# Allegro board 8880F5-0824_updates.brd (continued)
## Routing (per net, layer and track width the routed paths; a pad name or vN(x,y) marks a point on that pad's centre or on a via; arc(x,y) is an arc through that point) (continued)
; D127.A3 17.78,54.15 ; D127.A3 16.97,53.34 ; D127.A3 18.59,53.34 ; D127.A3 17.78,52.53 ; D113.B4 340.36,328.47 ; D113.B4 341.17,327.66 ; D113.B4 340.36,326.85 ; D113.B4 339.55,327.66 ; D120.B7 175.26,38.91 ; D120.B7 175.26,37.29 ; D120.B7 174.45,38.1 ; D120.B7 176.07,38.1 ; 324.41,71.12 D302.B8 ; D302.B8 325.12,70.41 ; D302.B8 325.83,71.12 ; D302.B8 325.12,71.83 ; D431.A3 195.58,386.89 ; D431.A3 194.77,386.08 ; D431.A3 195.58,385.27 ; D431.A3 196.39,386.08 ; 39.83,55.88 D127.A12 ; D127.A12 40.64,55.07 ; D127.A12 41.45,55.88 ; D127.A12 40.64,56.69 ; 198.12,382.73 D431.A2 ; D431.A2 198.12,384.35 ; D431.A2 197.31,383.54 ; D431.A2 198.93,383.54 ; D322.B6 246.38,71.83 ; D322.B6 247.09,71.12 ; D322.B6 245.67,71.12 ; D322.B6 246.38,70.41 ; 386.08,329.39 D109.B15 ; D109.B15 386.89,330.2 ; D109.B15 386.08,331.01 ; D109.B15 385.27,330.2 ; D318.B16 198.12,71.83 ; D318.B16 197.41,71.12 ; D318.B16 198.83,71.12 ; D318.B16 198.12,70.41 ; SITE1.G8 249.33,248.41 ; SITE1.G8 249.33,247.45 ; SITE1.G8 248.85,247.93 ; SITE1.G8 249.81,247.93 ; 396.24,32.21 D108.A7 ; D108.A7 397.05,33.02 ; D108.A7 396.24,33.83 ; D108.A7 395.43,33.02 ; D127.B4 21.13,60.96 ; D127.B4 20.32,61.77 ; D127.B4 20.32,60.15 ; D127.B4 19.51,60.96 ; 182.07,383.54 D431.A8 ; D431.A8 182.88,382.73 ; D431.A8 182.88,384.35 ; D431.A8 183.69,383.54 ; 270.97,332.74 CSDPS225.B2 ; CSDPS225.B2 271.78,333.55 ; CSDPS225.B2 272.59,332.74 ; CSDPS225.B2 271.78,331.93 ; 345.44,85.65 D301.A16 ; D301.A16 346.15,86.36 ; D301.A16 345.44,87.07 ; D301.A16 344.73,86.36 ; 312.42,57.61 D103.B3 ; D103.B3 311.61,58.42 ; D103.B3 313.23,58.42 ; D103.B3 312.42,59.23 ; 403.15,91.44 D305.B10 ; D305.B10 404.57,91.44 ; D305.B10 403.86,92.15 ; D305.B10 403.86,90.73 ; D130.A3 92.25,73.66 ; D130.A3 91.44,74.47 ; D130.A3 91.44,72.85 ; 113.49,40.64 D132.B12 ; D132.B12 115.11,40.64 ; D132.B12 114.3,41.45 ; D231.B3 195.58,371.65 ; D231.B3 195.58,370.03 ; D231.B3 194.77,370.84 ; D231.B3 196.39,370.84 ; 175.26,370.03 D231.B11 ; D231.B11 176.07,370.84 ; D231.B11 175.26,371.65 ; D231.B11 174.45,370.84 ; D131.A8 104.14,56.69 ; D131.A8 104.14,55.07 ; D131.A8 104.95,55.88 ; D131.A8 103.33,55.88 ; 339.55,347.98 D114.B4 ; D114.B4 341.17,347.98 ; D114.B4 340.36,348.79 ; D114.B4 340.36,347.17 ; 266.7,331.93 CSDPS225.B4 ; CSDPS225.B4 266.7,333.55 ; CSDPS225.B4 267.51,332.74 ; CSDPS225.B4 265.89,332.74 ; D120.B8 177.8,41.45 ; D120.B8 176.99,40.64 ; D120.B8 177.8,39.83 ; D120.B8 178.61,40.64 ; 324.31,35.56 D104.A8 ; D104.A8 325.93,35.56 ; D104.A8 325.12,34.75 ; D104.A8 325.12,36.37 ; D301.A3 312.42,84.53 ; D301.A3 313.13,83.82 ; D301.A3 311.71,83.82 ; D106.A4 388.62,77.01 ; D106.A4 389.43,76.2 ; D106.A4 387.81,76.2 ; D106.A4 388.62,75.39 ; D301.B8 325.83,91.44 ; D301.B8 325.12,92.15 ; D301.B8 324.41,91.44 ; D301.B8 325.12,90.73 ; 397.97,40.64 D108.B8 ; D108.B8 398.78,39.83 ; D108.B8 398.78,41.45 ; D108.B8 399.59,40.64 ; 167.64,372.57 D231.A14 ; D231.A14 168.45,373.38 ; D231.A14 167.64,374.19 ; D231.A14 166.83,373.38 ; D302.B12 335.99,71.12 ; D302.B12 335.28,71.83 ; D302.B12 335.28,70.41 ; D302.B12 334.57,71.12 ; 337.82,329.39 D113.B5 ; D113.B5 337.01,330.2 ; D113.B5 337.82,331.01 ; D113.B5 338.63,330.2 ; D129.A10 110.03,96.52 ; D129.A10 109.22,97.33 ; D129.A10 108.41,96.52 ; D129.A10 109.22,95.71 ; D122.B13 264.97,78.74 ; D122.B13 264.16,77.93 ; D122.B13 263.35,78.74 ; D122.B13 264.16,79.55 ; 260.81,81.28 D122.B12 ; D122.B12 262.43,81.28 ; D122.B12 261.62,80.47 ; D122.B12 261.62,82.09 ; CSDPS229.B16 163.37,332.74 ; CSDPS229.B16 161.75,332.74 ; CSDPS229.B16 162.56,331.93 ; CSDPS229.B16 162.56,333.55 ; D318.A15 196.29,63.5 ; D318.A15 195.58,62.79 ; D318.A15 195.58,64.21 ; D318.A15 194.87,63.5 ; 332.03,63.5 D302.A11 ; D302.A11 332.74,62.79 ; D302.A11 333.45,63.5 ; D302.A11 332.74,64.21 ; D321.A4 241.3,87.07 ; D321.A4 242.01,86.36 ; D321.A4 241.3,85.65 ; D321.A4 240.59,86.36 ; SITE4.G10 331.33,188.41 ; SITE4.G10 331.81,187.93 ; SITE4.G10 331.33,187.45 ; SITE4.G10 330.85,187.93 ; D306.A11 407.11,63.5 ; D306.A11 406.4,62.79 ; D306.A11 405.69,63.5 ; D306.A11 406.4,64.21 ; 393.7,367.49 D111.B12 ; D111.B12 392.89,368.3 ; D111.B12 393.7,369.11 ; D111.B12 394.51,368.3 ; 189.69,370.84 D231.B5 ; D231.B5 190.5,371.65 ; D231.B5 191.31,370.84 ; D231.B5 190.5,370.03 ; D116.A9 327.66,397.05 ; D116.A9 328.47,396.24 ; D116.A9 327.66,395.43 ; D116.A9 326.85,396.24 ; 103.33,81.28 D130.B8 ; D130.B8 104.95,81.28 ; D130.B8 104.14,80.47 ; D130.B8 104.14,82.09 ; D231.B10 178.61,368.3 ; D231.B10 177.8,369.11 ; D231.B10 176.99,368.3 ; D231.B10 177.8,367.49 ; D114.B5 338.63,350.52 ; D114.B5 337.82,349.71 ; D114.B5 337.01,350.52 ; D114.B5 337.82,351.33 ; D128.B14 45.72,41.45 ; D128.B14 46.53,40.64 ; D128.B14 44.91,40.64 ; D128.B14 45.72,39.83 ; D128.B15 48.26,38.91 ; D128.B15 47.45,38.1 ; D128.B15 49.07,38.1 ; D128.B15 48.26,37.29 ; SITE4.G7 328.33,188.41 ; SITE4.G7 328.81,187.93 ; SITE4.G7 327.85,187.93 ; SITE4.G7 328.33,187.45 ; D119.B9 181.15,58.42 ; D119.B9 179.53,58.42 ; D119.B9 180.34,59.23 ; SITE3.G17 249.03,186.91 ; SITE3.G17 248.55,186.43 ; SITE3.G17 249.51,186.43 ; SITE3.G17 249.03,185.95 ; 170.18,375.11 D231.A13 ; D231.A13 170.18,376.73 ; D231.A13 170.99,375.92 ; D231.A13 169.37,375.92 ; 270.97,55.88 D123.A16 ; D123.A16 271.78,55.07 ; D123.A16 271.78,56.69 ; D123.A16 272.59,55.88 ; D115.B14 314.96,369.11 ; D115.B14 315.77,368.3 ; D115.B14 314.96,367.49 ; D115.B14 314.15,368.3 ; 342.9,83.11 D301.A15 ; D301.A15 342.9,84.53 ; D301.A15 343.61,83.82 ; D301.A15 342.19,83.82 ; D116.A12 320.04,394.51 ; D116.A12 320.85,393.7 ; D116.A12 319.23,393.7 ; D116.A12 320.04,392.89 ; 27.13,93.98 D125.A7 ; D125.A7 28.75,93.98 ; D125.A7 27.94,94.79 ; D125.A7 27.94,93.17 ; D111.B16 383.54,369.11 ; D111.B16 382.73,368.3 ; D111.B16 383.54,367.49 ; D111.B16 384.35,368.3 ; D103.B15 343.71,58.42 ; D103.B15 342.09,58.42 ; D103.B15 342.9,57.61 ; D103.B15 342.9,59.23 ; SITE4.G1 328.81,181.33 ; SITE4.G1 328.33,181.81 ; SITE4.G1 328.33,180.85 ; SITE4.G1 327.85,181.33 ; 392.89,76.2 D106.A6 ; D106.A6 393.7,75.39 ; D106.A6 393.7,77.01 ; D106.A6 394.51,76.2 ; D115.A13 318.31,375.92 ; D115.A13 317.5,376.73 ; D115.A13 316.69,375.92 ; D115.A13 317.5,375.11 ; D132.B8 104.14,41.45 ; D132.B8 103.33,40.64 ; D132.B8 104.95,40.64 ; D109.A4 414.02,333.55 ; D109.A4 413.21,332.74 ; D109.A4 414.02,331.93 ; D109.A4 414.83,332.74 ; D306.B9 401.32,69.29 ; D306.B9 402.03,68.58 ; D306.B9 400.61,68.58 ; D306.B9 401.32,67.87 ; 179.53,78.74 D118.B9 ; D118.B9 181.15,78.74 ; D118.B9 180.34,79.55 ; D118.B9 180.34,77.93 ; 414.02,367.49 D111.B4 ; D111.B4 414.83,368.3 ; D111.B4 414.02,369.11 ; D111.B4 413.21,368.3 ; 118.57,35.56 D132.A14 120.19,35.56 ; 390.35,370.84 D111.B13 ; D111.B13 391.16,370.03 ; D111.B13 391.97,370.84 ; D111.B13 391.16,371.65 ; D130.A8 104.95,76.2 ; D130.A8 104.14,77.01 ; D130.A8 103.33,76.2 ; D130.A8 104.14,75.39 ; D317.B9 181.05,88.9 ; D317.B9 180.34,89.61 ; D317.B9 179.63,88.9 ; D317.B9 180.34,88.19 ; D112.B11 396.24,391.97 ; D112.B11 397.05,391.16 ; D112.B11 395.43,391.16 ; 416.56,67.87 D306.B15 ; D306.B15 415.85,68.58 ; D306.B15 416.56,69.29 ; D306.B15 417.27,68.58 ; D106.A12 409.75,76.2 ; D106.A12 408.94,75.39 ; D106.A12 408.13,76.2 ; D106.A12 408.94,77.01 ; 197.31,35.56 D120.A16 ; D120.A16 198.12,36.37 ; D120.A16 198.12,34.75 ; D120.A16 198.93,35.56 ; SITE3.G4 251.81,181.33 ; SITE3.G4 251.33,180.85 ; SITE3.G4 250.85,181.33 ; SITE3.G4 251.33,181.81 ; SITE2.G9 330.81,247.93 ; SITE2.G9 329.85,247.93 ; SITE2.G9 330.33,247.45 ; SITE2.G9 330.33,248.41 ; SITE4.G13 329.51,182.83 ; SITE4.G13 328.55,182.83 ; SITE4.G13 329.03,182.35 ; SITE4.G13 329.03,183.31 ; 252.85,241.33 SITE1.G6 ; SITE1.G6 253.33,240.85 ; SITE1.G6 253.33,241.81 ; SITE1.G6 253.81,241.33 ; 160.02,375.11 D231.A17 ; D231.A17 160.83,375.92 ; D231.A17 160.02,376.73 ; D231.A17 159.21,375.92 ; D130.B15 122.73,78.74 ; D130.B15 121.92,77.93 ; D130.B15 121.11,78.74 ; D130.B15 121.92,79.55 ; 411.48,72.85 D106.A13 ; D106.A13 412.29,73.66 ; D106.A13 410.67,73.66 ; D106.A13 411.48,74.47 ; D114.A11 322.58,356.41 ; D114.A11 321.77,355.6 ; D114.A11 322.58,354.79 ; D114.A11 323.39,355.6 ; 309.07,40.64 D104.B2 ; D104.B2 310.69,40.64 ; D104.B2 309.88,41.45 ; D104.B2 309.88,39.83 ; 408.13,347.98 D110.B6 ; D110.B6 408.94,348.79 ; D110.B6 409.75,347.98 ; D110.B6 408.94,347.17 ; 106.68,72.85 D130.A9 ; D130.A9 105.87,73.66 ; D130.A9 106.68,74.47 ; 25.4,55.07 D127.A6 ; D127.A6 25.4,56.69 ; D127.A6 24.59,55.88 ; D127.A6 26.21,55.88 ; D110.A6 408.94,353.87 ; D110.A6 409.75,353.06 ; D110.A6 408.94,352.25 ; D110.A6 408.13,353.06 ; D124.B16 272.59,40.64 ; D124.B16 271.78,39.83 ; D124.B16 270.97,40.64 ; D124.B16 271.78,41.45 ; 311.61,375.92 D115.A15 ; D115.A15 313.23,375.92 ; D115.A15 312.42,375.11 ; D115.A15 312.42,376.73 ; 42.37,58.42 D127.B13 ; D127.B13 43.18,59.23 ; D127.B13 43.18,57.61 ; D127.B13 43.99,58.42 ; 160.02,77.93 D118.B1 ; D118.B1 160.83,78.74 ; D118.B1 160.02,79.55 ; D118.B1 159.21,78.74 ; 235.41,60.96 D123.B2 ; D123.B2 236.22,61.77 ; D123.B2 237.03,60.96 ; D123.B2 236.22,60.15 ; 162.56,342.09 CSDPS429.B16 ; CSDPS429.B16 162.56,343.71 ; CSDPS429.B16 163.37,342.9 ; CSDPS429.B16 161.75,342.9 ; 176.99,332.74 CSDPS229.B10 ; CSDPS229.B10 177.8,331.93 ; CSDPS229.B10 178.61,332.74 ; CSDPS229.B10 177.8,333.55 ; D128.B7 28.75,38.1 ; D128.B7 27.13,38.1 ; D128.B7 27.94,38.91 ; D128.B7 27.94,37.29 ; D106.A9 401.32,74.47 ; D106.A9 401.32,72.85 ; D106.A9 400.51,73.66 ; D106.A9 402.13,73.66 ; 344.73,71.12 D302.B16 ; D302.B16 346.15,71.12 ; D302.B16 345.44,70.41 ; D302.B16 345.44,71.83 ; 414.02,372.57 D111.A4 ; D111.A4 414.83,373.38 ; D111.A4 414.02,374.19 ; D111.A4 413.21,373.38 ; 198.12,372.57 D231.A2 ; D231.A2 197.31,373.38 ; D231.A2 198.93,373.38 ; D231.A2 198.12,374.19 ; 162.56,60.15 D119.B2 ; D119.B2 161.75,60.96 ; D119.B2 163.37,60.96 ; D119.B2 162.56,61.77 ; 345.44,55.07 D103.A16 ; D103.A16 346.25,55.88 ; D103.A16 344.63,55.88 ; D103.A16 345.44,56.69 ; D102.B5 318.31,78.74 ; D102.B5 316.69,78.74 ; D102.B5 317.5,77.93 ; D102.B5 317.5,79.55 ; D129.B7 101.6,99.87 ; D129.B7 101.6,98.25 ; D129.B7 100.79,99.06 ; 88.9,75.39 D130.A2 ; D130.A2 89.71,76.2 ; D130.A2 88.09,76.2 ; D130.A2 88.9,77.01 ; 40.64,39.83 D128.B12 ; D128.B12 40.64,41.45 ; D128.B12 41.45,40.64 ; D128.B12 39.83,40.64 ; D122.B8 251.46,82.09 ; D122.B8 252.27,81.28 ; D122.B8 251.46,80.47 ; D122.B8 250.65,81.28 ; 340.36,34.75 D104.A14 ; D104.A14 340.36,36.37 ; D104.A14 341.17,35.56 ; D104.A14 339.55,35.56 ; 317.5,395.43 D116.A13 ; D116.A13 318.31,396.24 ; D116.A13 316.69,396.24 ; D116.A13 317.5,397.05 ; 251.43,182.35 SITE3.G15 ; SITE3.G15 251.91,182.83 ; SITE3.G15 251.43,183.31 ; SITE3.G15 250.95,182.83 ; D129.B13 117.65,99.06 ; D129.B13 116.84,98.25 ; D129.B13 116.84,99.87 ; D129.B13 116.03,99.06 ; 113.49,35.56 D132.A12 115.11,35.56 ; 99.06,80.47 D130.B6 ; D130.B6 98.25,81.28 ; D130.B6 99.06,82.09 ; D130.B6 99.87,81.28 ; 49.99,96.52 D125.A16 ; D125.A16 51.61,96.52 ; D125.A16 50.8,97.33 ; D125.A16 50.8,95.71 ; D126.B11 38.1,79.55 ; D126.B11 37.29,78.74 ; D126.B11 38.1,77.93 ; D126.B11 38.91,78.74 ; 172.72,367.49 D231.B12 ; D231.B12 171.91,368.3 ; D231.B12 173.53,368.3 ; D231.B12 172.72,369.11 ; D102.B6 320.85,81.28 ; D102.B6 320.04,80.47 ; D102.B6 320.04,82.09 ; D102.B6 319.23,81.28 ; 32.21,78.74 D126.B9 ; D126.B9 33.02,79.55 ; D126.B9 33.83,78.74 ; D126.B9 33.02,77.93 ; 382.73,35.56 D108.A2 ; D108.A2 383.54,34.75 ; D108.A2 384.35,35.56 ; D108.A2 383.54,36.37 ; D302.B2 309.88,71.83 ; D302.B2 310.59,71.12 ; D302.B2 309.88,70.41 ; D302.B2 309.17,71.12 ; 406.4,52.53 D107.A11 ; D107.A11 407.21,53.34 ; D107.A11 405.59,53.34 ; D107.A11 406.4,54.15 ; D113.A16 309.88,333.55 ; D113.A16 309.88,331.93 ; D113.A16 309.07,332.74 ; D113.A16 310.69,332.74 ; 332.03,83.82 D301.A11 ; D301.A11 332.74,83.11 ; D301.A11 332.74,84.53 ; D301.A11 333.45,83.82 ; 166.83,55.88 D119.A4 ; D119.A4 168.45,55.88 ; D119.A4 167.64,55.07 ; D119.A4 167.64,56.69
  L07_SIGNAL w0.074: 249.03,245.95 SITE1.G17 ; SITE1.G17 248.55,246.43 ; SITE1.G17 249.51,246.43 ; SITE1.G17 249.03,246.91 ; D114.A3 342.9,356.41 ; D114.A3 343.71,355.6 ; D114.A3 342.9,354.79 ; D114.A3 342.09,355.6 ; 327.66,370.03 D115.B9 ; D115.B9 326.85,370.84 ; D115.B9 328.47,370.84 ; D115.B9 327.66,371.65 ; D104.A4 314.96,36.37 ; D104.A4 314.15,35.56 ; D104.A4 315.77,35.56 ; D104.A4 314.96,34.75 ; 251.85,247.93 SITE1.G11 ; SITE1.G11 252.81,247.93 ; SITE1.G11 252.33,248.41 ; SITE1.G11 252.33,247.45 ; 100.79,99.06 D129.B7 ; D129.B7 102.41,99.06 ; D129.B7 101.6,98.25 ; D129.B7 101.6,99.87 ; D321.A8 252.17,86.36 ; D321.A8 251.46,87.07 ; D321.A8 250.75,86.36 ; D321.A8 251.46,85.65 ; 90.63,78.74 D130.B3 ; D130.B3 92.25,78.74 ; D130.B3 91.44,79.55 ; D130.B3 91.44,77.93 ; 179.53,340.36 CSDPS429.C9 ; CSDPS429.C9 181.15,340.36 ; CSDPS429.C9 180.34,341.17 ; CSDPS429.C9 180.34,339.55 ; D125.B1 12.7,99.87 ; D125.B1 11.89,99.06 ; D125.B1 12.7,98.25 ; D125.B1 13.51,99.06 ; 335.28,331.93 D113.A6 ; D113.A6 335.28,333.55 ; D113.A6 336.09,332.74 ; D113.A6 334.47,332.74 ; 260.91,86.36 D321.A12 ; D321.A12 262.33,86.36 ; D321.A12 261.62,87.07 ; D321.A12 261.62,85.65 ; D132.A11 112.57,33.02 ; D132.A11 111.76,33.83 ; D132.A11 110.95,33.02 ; D132.A11 111.76,32.21 ; D102.B10 330.2,82.09 ; D102.B10 329.39,81.28 ; D102.B10 330.2,80.47 ; D102.B10 331.01,81.28 ; D111.B11 396.24,371.65 ; D111.B11 395.43,370.84 ; D111.B11 396.24,370.03 ; D111.B11 397.05,370.84 ; 337.82,88.19 D301.B13 ; D301.B13 338.53,88.9 ; D301.B13 337.82,89.61 ; D301.B13 337.11,88.9 ; 332.03,88.9 D301.B11 ; D301.B11 333.45,88.9 ; D301.B11 332.74,89.61 ; D301.B11 332.74,88.19 ; D322.A5 243.84,64.21 ; D322.A5 244.55,63.5 ; D322.A5 243.13,63.5 ; 405.59,38.1 D108.B11 ; D108.B11 407.21,38.1 ; D108.B11 406.4,38.91 ; D108.B11 406.4,37.29 ; 316.79,68.58 D302.B5 ; D302.B5 317.5,69.29 ; D302.B5 317.5,67.87 ; D302.B5 318.21,68.58 ; SITE3.G15 251.43,183.31 ; SITE3.G15 251.91,182.83 ; SITE3.G15 251.43,182.35 ; SITE3.G15 250.95,182.83 ; 385.27,335.28 D109.A15 ; D109.A15 386.89,335.28 ; D109.A15 386.08,336.09 ; D109.A15 386.08,334.47 ; D124.B1 234.49,38.1 ; D124.B1 233.68,37.29 ; D124.B1 233.68,38.91 ; D124.B1 232.87,38.1 ; SITE1.G15 251.91,242.83 ; SITE1.G15 250.95,242.83 ; SITE1.G15 251.43,243.31 ; SITE1.G15 251.43,242.35 ; D431.A13 170.99,386.08 ; D431.A13 170.18,386.89 ; D431.A13 169.37,386.08 ; D431.A13 170.18,385.27 ; D129.B10 110.03,101.6 ; D129.B10 109.22,100.79 ; D129.B10 108.41,101.6 ; D129.B10 109.22,102.41 ; 321.77,38.1 D104.B7 ; D104.B7 322.58,37.29 ; D104.B7 323.39,38.1 ; D104.B7 322.58,38.91 ; 415.75,396.24 D112.A3 ; D112.A3 416.56,397.05 ; D112.A3 417.37,396.24 ; D112.A3 416.56,395.43 ; 382.73,35.56 D108.A2 ; D108.A2 383.54,36.37 ; D108.A2 384.35,35.56 ; D108.A2 383.54,34.75 ; D322.B12 262.33,71.12 ; D322.B12 260.91,71.12 ; D322.B12 261.62,71.83 ; D322.B12 261.62,70.41 ; 251.46,75.39 D122.A8 ; D122.A8 251.46,77.01 ; D122.A8 252.27,76.2 ; D122.A8 250.65,76.2 ; 333.33,180.85 SITE4.G6 ; SITE4.G6 332.85,181.33 ; SITE4.G6 333.81,181.33 ; SITE4.G6 333.33,181.81 ; D104.A6 320.85,35.56 ; D104.A6 320.04,34.75 ; D104.A6 319.23,35.56 ; D104.A6 320.04,36.37 ; D108.A4 389.43,35.56 ; D108.A4 388.62,36.37 ; D108.A4 387.81,35.56 ; D108.A4 388.62,34.75 ; 265.89,55.88 D123.A14 ; D123.A14 266.7,56.69 ; D123.A14 266.7,55.07 ; D123.A14 267.51,55.88 ; 398.07,66.04 D306.A8 ; D306.A8 398.78,66.75 ; D306.A8 398.78,65.33 ; D306.A8 399.49,66.04 ; D318.A7 175.26,64.21 ; D318.A7 175.26,62.79 ; D318.A7 174.55,63.5 ; D318.A7 175.97,63.5 ; D102.B6 320.04,82.09 ; D102.B6 320.04,80.47 ; D102.B6 319.23,81.28 ; D102.B6 320.85,81.28 ; D125.B15 48.26,99.87 ; D125.B15 47.45,99.06 ; D125.B15 48.26,98.25 ; D125.B15 49.07,99.06 ; D115.A5 338.63,375.92 ; D115.A5 337.01,375.92 ; D115.A5 337.82,376.73 ; D115.A5 337.82,375.11 ; 49.99,35.56 D128.A16 ; D128.A16 51.61,35.56 ; D128.A16 50.8,34.75 ; D128.A16 50.8,36.37 ; D103.B8 325.12,61.77 ; D103.B8 325.12,60.15 ; D103.B8 325.93,60.96 ; D103.B8 324.31,60.96 ; D302.A16 346.15,66.04 ; D302.A16 345.44,66.75 ; D302.A16 345.44,65.33 ; D302.A16 344.73,66.04 ; D124.A5 243.84,33.83 ; D124.A5 243.03,33.02 ; D124.A5 244.65,33.02 ; D124.A5 243.84,32.21 ; 317.5,37.29 D104.B5 ; D104.B5 318.31,38.1 ; D104.B5 317.5,38.91 ; D104.B5 316.69,38.1 ; SITE3.G13 249.51,182.83 ; SITE3.G13 249.03,182.35 ; SITE3.G13 249.03,183.31 ; SITE3.G13 248.55,182.83 ; 271.78,90.73 D321.B16 ; D321.B16 272.49,91.44 ; D321.B16 271.78,92.15 ; D321.B16 271.07,91.44 ; 187.15,342.9 CSDPS429.B6 ; CSDPS429.B6 187.96,343.71 ; CSDPS429.B6 187.96,342.09 ; CSDPS429.B6 188.77,342.9 ; 418.29,373.38 D111.A2 ; D111.A2 419.1,374.19 ; D111.A2 419.1,372.57 ; D111.A2 419.91,373.38 ; 332.74,349.71 D114.B7 ; D114.B7 332.74,351.33 ; D114.B7 331.93,350.52 ; D114.B7 333.55,350.52 ; 164.29,370.84 D231.B15 ; D231.B15 165.1,371.65 ; D231.B15 165.1,370.03 ; D231.B15 165.91,370.84 ; D131.A6 99.87,55.88 ; D131.A6 99.06,56.69 ; D131.A6 98.25,55.88 ; D131.A6 99.06,55.07 ; 340.36,60.15 D103.B14 ; D103.B14 339.55,60.96 ; D103.B14 340.36,61.77 ; D103.B14 341.17,60.96 ; D130.B4 93.98,82.09 ; D130.B4 93.98,80.47 ; D130.B4 93.17,81.28 ; D130.B4 94.79,81.28 ; D120.B2 162.56,41.45 ; D120.B2 161.75,40.64 ; D120.B2 163.37,40.64 ; D120.B2 162.56,39.83 ; 25.4,75.39 D126.A6 ; D126.A6 25.4,77.01 ; D126.A6 24.59,76.2 ; D126.A6 26.21,76.2 ; D321.A1 234.39,83.82 ; D321.A1 233.68,83.11 ; D321.A1 232.97,83.82 ; D321.A1 233.68,84.53 ; D128.A13 43.18,33.83 ; D128.A13 42.37,33.02 ; D128.A13 43.18,32.21 ; D128.A13 43.99,33.02 ; 388.62,65.33 D306.A4 ; D306.A4 389.33,66.04 ; D306.A4 387.91,66.04 ; D306.A4 388.62,66.75 ; 319.33,86.36 D301.A6 ; D301.A6 320.04,85.65 ; D301.A6 320.75,86.36 ; D301.A6 320.04,87.07 ; D132.B12 115.11,40.64 ; D132.B12 114.3,41.45 ; D132.B12 114.3,39.83 ; D132.B12 113.49,40.64 ; 345.44,352.25 D114.A2 ; D114.A2 344.63,353.06 ; D114.A2 346.25,353.06 ; D114.A2 345.44,353.87 ; 161.75,342.9 CSDPS429.B16 ; CSDPS429.B16 162.56,343.71 ; CSDPS429.B16 163.37,342.9 ; CSDPS429.B16 162.56,342.09 ; D103.B7 322.58,59.23 ; D103.B7 323.39,58.42 ; D103.B7 321.77,58.42 ; D103.B7 322.58,57.61 ; D129.A2 89.71,96.52 ; D129.A2 88.9,97.33 ; D129.A2 88.09,96.52 ; D129.A2 88.9,95.71 ; D306.B1 381,69.29 ; D306.B1 381,67.87 ; D306.B1 380.29,68.58 ; D306.B1 381.71,68.58 ; D129.A13 117.65,93.98 ; D129.A13 116.84,93.17 ; D129.A13 116.84,94.79 ; D129.A13 116.03,93.98 ; 177.8,55.07 D119.A8 ; D119.A8 177.8,56.69 ; D119.A8 178.61,55.88 ; D119.A8 176.99,55.88 ; D120.A14 193.85,35.56 ; D120.A14 193.04,34.75 ; D120.A14 192.23,35.56 ; D120.A14 193.04,36.37 ; D114.A8 331.01,353.06 ; D114.A8 329.39,353.06 ; D114.A8 330.2,352.25 ; D114.A8 330.2,353.87 ; SITE1.G19 251.43,246.91 ; SITE1.G19 251.43,245.95 ; SITE1.G19 251.91,246.43 ; SITE1.G19 250.95,246.43 ; 248.21,63.5 D322.A7 ; D322.A7 249.63,63.5 ; D322.A7 248.92,62.79 ; D322.A7 248.92,64.21 ; D118.A6 173.53,76.2 ; D118.A6 172.72,75.39 ; D118.A6 172.72,77.01 ; D118.A6 171.91,76.2 ; 261.62,34.75 D124.A12 ; D124.A12 261.62,36.37 ; D124.A12 262.43,35.56 ; D124.A12 260.81,35.56 ; 345.44,85.65 D301.A16 ; D301.A16 344.73,86.36 ; D301.A16 346.15,86.36 ; D301.A16 345.44,87.07 ; 314.25,91.44 D301.B4 ; D301.B4 315.67,91.44 ; D301.B4 314.96,90.73 ; D301.B4 314.96,92.15 ; D109.B16 384.35,327.66 ; D109.B16 383.54,326.85 ; D109.B16 382.73,327.66 ; D109.B16 383.54,328.47 ; 37.29,33.02 D128.A11 ; D128.A11 38.1,32.21 ; D128.A11 38.91,33.02 ; D128.A11 38.1,33.83 ; 329.39,393.7 D116.A8 ; D116.A8 330.2,392.89 ; D116.A8 330.2,394.51 ; D116.A8 331.01,393.7 ; D124.A6 246.38,36.37 ; D124.A6 245.57,35.56 ; D124.A6 247.19,35.56 ; D124.A6 246.38,34.75 ; 398.78,34.75 D108.A8 ; D108.A8 399.59,35.56 ; D108.A8 398.78,36.37 ; D108.A8 397.97,35.56 ; 248.92,72.85 D122.A7 ; D122.A7 248.92,74.47 ; D122.A7 248.11,73.66 ; D122.A7 249.73,73.66 ; 232.87,33.02 D124.A1 ; D124.A1 234.49,33.02 ; D124.A1 233.68,33.83 ; D124.A1 233.68,32.21 ; SITE2.G19 331.43,246.91 ; SITE2.G19 331.43,245.95 ; SITE2.G19 331.91,246.43 ; SITE2.G19 330.95,246.43 ; 185.42,32.21 D120.A11 ; D120.A11 186.23,33.02 ; D120.A11 184.61,33.02 ; D120.A11 185.42,33.83 ; CSDPS229.C7 186.23,330.2 ; CSDPS229.C7 185.42,331.01 ; CSDPS229.C7 184.61,330.2 ; CSDPS229.C7 185.42,329.39 ; 327.85,247.93 SITE2.G7 ; SITE2.G7 328.33,247.45 ; SITE2.G7 328.81,247.93 ; SITE2.G7 328.33,248.41 ; 337.82,32.21 D104.A13 ; D104.A13 337.01,33.02 ; D104.A13 337.82,33.83 ; D104.A13 338.63,33.02 ; D128.B1 12.7,38.91 ; D128.B1 12.7,37.29 ; D128.B1 11.89,38.1 ; D128.B1 13.51,38.1 ; 177.8,382.73 D431.A10 ; D431.A10 176.99,383.54 ; D431.A10 178.61,383.54 ; D431.A10 177.8,384.35 ; D431.B6 188.77,378.46 ; D431.B6 187.96,377.65 ; D431.B6 187.15,378.46 ; D431.B6 187.96,379.27 ; D102.A13 337.82,74.47 ; D102.A13 337.01,73.66 ; D102.A13 337.82,72.85 ; D102.A13 338.63,73.66 ; D119.A6 173.53,55.88 ; D119.A6 172.72,56.69 ; D119.A6 172.72,55.07 ; D119.A6 171.91,55.88 ; 164.39,63.5 D318.A3 ; D318.A3 165.1,64.21 ; D318.A3 165.81,63.5 ; 250.23,182.35 SITE3.G14 ; SITE3.G14 250.23,183.31 ; SITE3.G14 250.71,182.83 ; SITE3.G14 249.75,182.83 ; D302.A3 313.13,63.5 ; D302.A3 311.71,63.5 ; D302.A3 312.42,64.21 ; D302.A3 312.42,62.79 ; D109.A8 403.86,333.55 ; D109.A8 403.86,331.93 ; D109.A8 404.67,332.74 ; D109.A8 403.05,332.74 ; 344.63,40.64 D104.B16 ; D104.B16 345.44,39.83 ; D104.B16 346.25,40.64 ; D104.B16 345.44,41.45 ; D127.B1 12.7,59.23 ; D127.B1 12.7,57.61 ; D127.B1 11.89,58.42 ; D127.B1 13.51,58.42 ; D119.A14 193.85,55.88 ; D119.A14 192.23,55.88 ; D119.A14 193.04,56.69 ; D119.A14 193.04,55.07 ; 258.27,58.42 D123.B11 ; D123.B11 259.89,58.42 ; D123.B11 259.08,57.61 ; D123.B11 259.08,59.23 ; 334.57,66.04 D302.A12 ; D302.A12 335.28,65.33 ; D302.A12 335.28,66.75 ; D302.A12 335.99,66.04 ; D301.B16 345.44,92.15 ; D301.B16 346.15,91.44 ; D301.B16 345.44,90.73 ; D301.B16 344.73,91.44 ; D108.B6 393.7,41.45 ; D108.B6 392.89,40.64 ; D108.B6 393.7,39.83 ; D108.B6 394.51,40.64 ; D111.B13 391.97,370.84 ; D111.B13 391.16,370.03 ; D111.B13 390.35,370.84 ; D111.B13 391.16,371.65 ; D112.A11 397.05,396.24 ; D112.A11 396.24,395.43 ; D112.A11 396.24,397.05 ; D112.A11 395.43,396.24 ; 327.85,241.33 SITE2.G1 ; SITE2.G1 328.33,240.85 ; SITE2.G1 328.81,241.33 ; SITE2.G1 328.33,241.81 ; 255.73,81.28 D122.B10 ; D122.B10 256.54,82.09 ; D122.B10 256.54,80.47 ; D122.B10 257.35,81.28 ; D108.A7 396.24,33.83 ; D108.A7 396.24,32.21 ; D108.A7 397.05,33.02 ; D108.A7 395.43,33.02 ; 106.68,93.17 D129.A9 ; D129.A9 107.49,93.98 ; D129.A9 106.68,94.79 ; D129.A9 105.87,93.98 ; 322.58,83.11 D301.A7 ; D301.A7 322.58,84.53 ; D301.A7 323.29,83.82 ; D301.A7 321.87,83.82 ; 184.71,68.58 D318.B11 ; D318.B11 185.42,69.29 ; D318.B11 186.13,68.58 ; D318.B11 185.42,67.87 ; 90.63,53.34 D131.A3 ; D131.A3 92.25,53.34 ; D131.A3 91.44,54.15 ; D131.A3 91.44,52.53 ; D321.A15 269.95,83.82 ; D321.A15 269.24,84.53 ; D321.A15 269.24,83.11 ; D321.A15 268.53,83.82 ; 16.97,33.02 D128.A3 ; D128.A3 17.78,33.83 ; D128.A3 17.78,32.21 ; D128.A3 18.59,33.02 ; 396.24,83.11 D305.A7 ; D305.A7 396.24,84.53 ; D305.A7 395.53,83.82 ; D305.A7 396.95,83.82 ; D119.A15 196.39,53.34 ; D119.A15 195.58,54.15 ; D119.A15 194.77,53.34 ; D119.A15 195.58,52.53 ; DPS2.C11 323.39,410.21 ; DPS2.C11 322.58,411.02 ; DPS2.C11 322.58,409.4 ; DPS2.C11 321.77,410.21 ; D321.A4 241.3,87.07 ; D321.A4 242.01,86.36 ; D321.A4 240.59,86.36 ; D321.A4 241.3,85.65 ; D317.A13 190.5,84.53 ; D317.A13 190.5,83.11 ; D317.A13 191.21,83.82 ; D317.A13 189.79,83.82 ; CSDPS225.B6 262.43,332.74 ; CSDPS225.B6 261.62,333.55 ; CSDPS225.B6 261.62,331.93 ; CSDPS225.B6 260.81,332.74 ; 119.38,55.07 D131.A14 ; D131.A14 118.57,55.88 ; D131.A14 119.38,56.69 ; D131.A14 120.19,55.88 ; 270.97,40.64 D124.B16 ; D124.B16 271.78,41.45 ; D124.B16 271.78,39.83 ; D124.B16 272.59,40.64 ; D125.A12 41.45,96.52 ; D125.A12 40.64,97.33 ; D125.A12 40.64,95.71 ; D125.A12 39.83,96.52 ; 383.54,347.17 D110.B16 ; D110.B16 384.35,347.98 ; D110.B16 383.54,348.79 ; D110.B16 382.73,347.98 ; 86.36,37.29 D132.B1 ; D132.B1 86.36,38.91 ; D132.B1 85.55,38.1 ; D132.B1 87.17,38.1 ; 29.67,60.96 D127.B8 ; D127.B8 30.48,61.77 ; D127.B8 31.29,60.96 ; D127.B8 30.48,60.15 ; 307.34,37.29 D104.B1 ; D104.B1 308.15,38.1 ; D104.B1 307.34,38.91 ; D104.B1 306.53,38.1 ; 405.59,19.05 DPS1.C11 ; DPS1.C11 406.4,18.24 ; DPS1.C11 407.21,19.05 ; DPS1.C11 406.4,19.86 ; 19.51,40.64 D128.B4 ; D128.B4 21.13,40.64 ; D128.B4 20.32,39.83 ; D128.B4 20.32,41.45 ; 182.07,378.46 D431.B8 ; D431.B8 182.88,379.27 ; D431.B8 183.69,378.46 ; D431.B8 182.88,377.65 ; D115.A1 348.79,375.92 ; D115.A1 347.17,375.92 ; D115.A1 347.98,376.73 ; D115.A1 347.98,375.11 ; 19.51,35.56 D128.A4 ; D128.A4 20.32,34.75 ; D128.A4 21.13,35.56 ; D128.A4 20.32,36.37 ; 250.33,180.85 SITE3.G3 ; SITE3.G3 250.81,181.33 ; SITE3.G3 250.33,181.81 ; SITE3.G3 249.85,181.33 ; D431.A12 173.53,383.54 ; D431.A12 172.72,384.35 ; D431.A12 171.91,383.54 ; D431.A12 172.72,382.73 ; D114.B6 336.09,347.98 ; D114.B6 334.47,347.98 ; D114.B6 335.28,348.79 ; D114.B6 335.28,347.17 ; D111.A10 399.59,373.38 ; D111.A10 398.78,372.57 ; D111.A10 397.97,373.38 ; D111.A10 398.78,374.19 ; D131.A1 86.36,54.15 ; D131.A1 87.17,53.34 ; D131.A1 86.36,52.53 ; D131.A1 85.55,53.34 ; D125.A3 17.78,94.79 ; D125.A3 18.59,93.98 ; D125.A3 17.78,93.17 ; D125.A3 16.97,93.98 ; 29.67,35.56 D128.A8 ; D128.A8 30.48,36.37 ; D128.A8 30.48,34.75 ; D128.A8 31.29,35.56 ; 415.85,68.58 D306.B15 ; D306.B15 416.56,69.29 ; D306.B15 417.27,68.58 ; D306.B15 416.56,67.87 ; 329.39,373.38 D115.A8 ; D115.A8 331.01,373.38 ; D115.A8 330.2,374.19 ; D115.A8 330.2,372.57 ; D103.A9 328.47,53.34 ; D103.A9 327.66,54.15 ; D103.A9 326.85,53.34 ; D103.A9 327.66,52.53 ; 27.94,57.61 D127.B7 ; D127.B7 27.94,59.23 ; D127.B7 28.75,58.42 ; D127.B7 27.13,58.42 ; 179.53,375.92 D231.A9 ; D231.A9 180.34,375.11 ; D231.A9 181.15,375.92 ; D231.A9 180.34,376.73 ; 179.63,83.82 D317.A9 ; D317.A9 180.34,83.11 ; D317.A9 180.34,84.53 ; D317.A9 181.05,83.82 ; 406.4,72.85 D106.A11 ; D106.A11 405.59,73.66 ; D106.A11 407.21,73.66 ; D106.A11 406.4,74.47 ; 415.75,330.2 D109.B3 ; D109.B3 416.56,329.39 ; D109.B3 416.56,331.01 ; D109.B3 417.37,330.2 ; CSDPS225.C9 254.81,330.2 ; CSDPS225.C9 254,329.39 ; CSDPS225.C9 253.19,330.2 ; CSDPS225.C9 254,331.01 ; 326.95,68.58 D302.B9 ; D302.B9 328.37,68.58 ; D302.B9 327.66,67.87 ; D302.B9 327.66,69.29 ; D104.A8 325.93,35.56 ; D104.A8 325.12,36.37 ; D104.A8 324.31,35.56 ; D104.A8 325.12,34.75 ; D110.B6 408.94,348.79 ; D110.B6 408.13,347.98 ; D110.B6 409.75,347.98 ; D110.B6 408.94,347.17 ; 253.19,33.02 D124.A9 ; D124.A9 254,33.83 ; D124.A9 254.81,33.02 ; D124.A9 254,32.21 ; CSDPS429.B12 172.72,343.71 ; CSDPS429.B12 172.72,342.09 ; CSDPS429.B12 171.91,342.9 ; CSDPS429.B12 173.53,342.9 ; 39.83,81.28 D126.B12 ; D126.B12 40.64,82.09 ; D126.B12 40.64,80.47 ; D126.B12 41.45,81.28 ; 380.19,73.66 D106.A1 ; D106.A1 381,74.47 ; D106.A1 381.81,73.66 ; 113.49,35.56 D132.A12 ; D132.A12 114.3,36.37 ; D132.A12 115.11,35.56 ; D132.A12 114.3,34.75 ; D108.A9 401.32,33.83 ; D108.A9 402.13,33.02 ; D108.A9 400.51,33.02 ; D108.A9 401.32,32.21 ; 95.71,33.02 D132.A5 ; D132.A5 96.52,32.21 ; D132.A5 96.52,33.83 ; D132.A5 97.33,33.02 ; 98.25,96.52 D129.A6 ; D129.A6 99.87,96.52 ; D129.A6 99.06,95.71 ; D129.A6 99.06,97.33 ; 189.79,68.58 D318.B13 ; D318.B13 190.5,67.87 ; D318.B13 190.5,69.29 ; D318.B13 191.21,68.58 ; 197.31,40.64 D120.B16 ; D120.B16 198.12,41.45 ; D120.B16 198.12,39.83 ; D120.B16 198.93,40.64 ; 331.43,182.35 SITE4.G15 ; SITE4.G15 331.91,182.83 ; SITE4.G15 330.95,182.83 ; SITE4.G15 331.43,183.31 ; 248.55,186.43 SITE3.G17 ; SITE3.G17 249.51,186.43 ; SITE3.G17 249.03,185.95 ; SITE3.G17 249.03,186.91 ; 192.33,91.44 D317.B14 ; D317.B14 193.75,91.44 ; D317.B14 193.04,92.15 ; D317.B14 193.04,90.73 ; D120.A4 167.64,36.37 ; D120.A4 167.64,34.75 ; D120.A4 166.83,35.56 ; D120.A4 168.45,35.56 ; 401.32,72.85 D106.A9 ; D106.A9 400.51,73.66 ; D106.A9 402.13,73.66 ; D106.A9 401.32,74.47 ; D107.A14 414.02,56.69 ; D107.A14 413.21,55.88 ; D107.A14 414.83,55.88 ; D107.A14 414.02,55.07 ; D127.B10 36.37,60.96 ; D127.B10 34.75,60.96 ; D127.B10 35.56,61.77 ; D127.B10 35.56,60.15 ; D127.B15 49.07,58.42 ; D127.B15 48.26,59.23 ; D127.B15 47.45,58.42 ; D127.B15 48.26,57.61 ; D302.B2 310.59,71.12 ; D302.B2 309.88,71.83 ; D302.B2 309.88,70.41 ; D302.B2 309.17,71.12 ; 240.59,91.44 D321.B4 ; D321.B4 241.3,90.73 ; D321.B4 242.01,91.44 ; D321.B4 241.3,92.15 ; 387.81,40.64 D108.B4 ; D108.B4 388.62,41.45 ; D108.B4 388.62,39.83 ; D108.B4 389.43,40.64 ; 166.83,378.46 D431.B14 ; D431.B14 167.64,377.65 ; D431.B14 167.64,379.27 ; D431.B14 168.45,378.46 ; D305.A1 381.71,83.82 ; D305.A1 381,84.53 ; D305.A1 380.29,83.82 ; D305.A1 381,83.11 ; 192.23,76.2 D118.A14 ; D118.A14 193.04,77.01 ; D118.A14 193.04,75.39 ; D118.A14 193.85,76.2 ; D126.A14 46.53,76.2 ; D126.A14 45.72,75.39 ; D126.A14 45.72,77.01 ; D126.A14 44.91,76.2 ; 123.65,60.96 D131.B16 ; D131.B16 124.46,60.15 ; D131.B16 124.46,61.77 ; D131.B16 125.27,60.96 ; D305.A14 414.02,87.07 ; D305.A14 413.31,86.36 ; D305.A14 414.73,86.36 ; D305.A14 414.02,85.65 ; D128.A1 13.51,33.02 ; D128.A1 12.7,32.21 ; D128.A1 11.89,33.02 ; D128.A1 12.7,33.83 ; 175.26,385.27 D431.A11 ; D431.A11 174.45,386.08 ; D431.A11 176.07,386.08 ; D431.A11 175.26,386.89 ; D118.A10 182.88,77.01 ; D118.A10 182.88,75.39 ; D118.A10 183.69,76.2 ; D118.A10 182.07,76.2 ; D322.A2 236.93,66.04 ; D322.A2 235.51,66.04 ; D322.A2 236.22,65.33 ; D322.A2 236.22,66.75 ; 119.38,80.47 D130.B14 ; D130.B14 118.57,81.28 ; D130.B14 119.38,82.09 ; D130.B14 120.19,81.28 ; 50.8,75.39 D126.A16 ; D126.A16 50.8,77.01 ; D126.A16 49.99,76.2 ; D126.A16 51.61,76.2 ; D111.B15 386.89,370.84 ; D111.B15 385.27,370.84 ; D111.B15 386.08,370.03 ; D111.B15 386.08,371.65 ; 49.99,96.52 D125.A16 ; D125.A16 50.8,97.33 ; D125.A16 51.61,96.52 ; D125.A16 50.8,95.71 ; D111.B10 398.78,369.11 ; D111.B10 398.78,367.49 ; D111.B10 397.97,368.3 ; D111.B10 399.59,368.3 ; 326.85,396.24 D116.A9 ; D116.A9 327.66,397.05 ; D116.A9 327.66,395.43 ; D116.A9 328.47,396.24 ; D305.A15 416.56,84.53 ; D305.A15 417.27,83.82 ; D305.A15 415.85,83.82 ; D305.A15 416.56,83.11 ; 19.51,96.52 D125.A4 ; D125.A4 20.32,97.33 ; D125.A4 21.13,96.52 ; D125.A4 20.32,95.71 ; D102.B15 343.71,78.74 ; D102.B15 342.9,77.93 ; D102.B15 342.09,78.74 ; D106.A16 419.1,77.01 ; D106.A16 419.1,75.39 ; D106.A16 419.91,76.2 ; D106.A16 418.29,76.2 ; 386.08,390.35 D112.B15 ; D112.B15 386.89,391.16 ; D112.B15 386.08,391.97 ; D112.B15 385.27,391.16 ; D128.B16 50.8,41.45 ; D128.B16 49.99,40.64 ; D128.B16 51.61,40.64 ; D128.B16 50.8,39.83 ; 415.75,370.84 D111.B3 ; D111.B3 416.56,371.65 ; D111.B3 417.37,370.84 ; 33.02,57.61 D127.B9 ; D127.B9 32.21,58.42 ; D127.B9 33.83,58.42 ; D127.B9 33.02,59.23 ; 270.97,60.96 D123.B16 ; D123.B16 272.59,60.96 ; D123.B16 271.78,60.15 ; D123.B16 271.78,61.77 ; SITE3.G7 248.81,187.93 ; SITE3.G7 247.85,187.93 ; SITE3.G7 248.33,187.45 ; SITE3.G7 248.33,188.41 ; 259.08,67.87 D322.B11 ; D322.B11 258.37,68.58 ; D322.B11 259.79,68.58 ; D322.B11 259.08,69.29 ; D120.A13 190.5,33.83 ; D120.A13 190.5,32.21 ; D120.A13 189.69,33.02 ; D120.A13 191.31,33.02 ; 271.07,86.36 D321.A16 ; D321.A16 271.78,85.65 ; D321.A16 272.49,86.36 ; D321.A16 271.78,87.07 ; D103.B10 331.01,60.96 ; D103.B10 329.39,60.96 ; D103.B10 330.2,60.15 ; D103.B10 330.2,61.77 ; 15.24,60.15 D127.B2 ; D127.B2 16.05,60.96 ; D127.B2 14.43,60.96 ; D127.B2 15.24,61.77 ; D301.A11 333.45,83.82 ; D301.A11 332.74,84.53 ; D301.A11 332.03,83.82 ; D301.A11 332.74,83.11 ; D305.B5 391.87,88.9 ; D305.B5 391.16,88.19 ; D305.B5 390.45,88.9 ; D305.B5 391.16,89.61 ; D122.B16 271.78,82.09 ; D122.B16 271.78,80.47 ; D122.B16 272.59,81.28 ; D122.B16 270.97,81.28 ; D118.A2 162.56,77.01 ; D118.A2 163.37,76.2 ; D118.A2 162.56,75.39 ; D118.A2 161.75,76.2 ; 325.12,70.41 D302.B8 ; D302.B8 325.83,71.12 ; D302.B8 325.12,71.83 ; D302.B8 324.41,71.12 ; 238.05,63.5 D322.A3 ; D322.A3 239.47,63.5 ; D322.A3 238.76,64.21 ; 85.55,93.98 D129.A1 ; D129.A1 87.17,93.98 ; D129.A1 86.36,93.17 ; D129.A1 86.36,94.79 ; 175.26,380.19 D431.B11 ; D431.B11 176.07,381 ; D431.B11 174.45,381 ; D431.B11 175.26,381.81 ; 312.42,390.35 D116.B15 ; D116.B15 311.61,391.16 ; D116.B15 312.42,391.97 ; D116.B15 313.23,391.16 ; SITE2.G2 329.81,241.33 ; SITE2.G2 329.33,240.85 